# Allegro board 20250806_UNOQ.brd (continued)
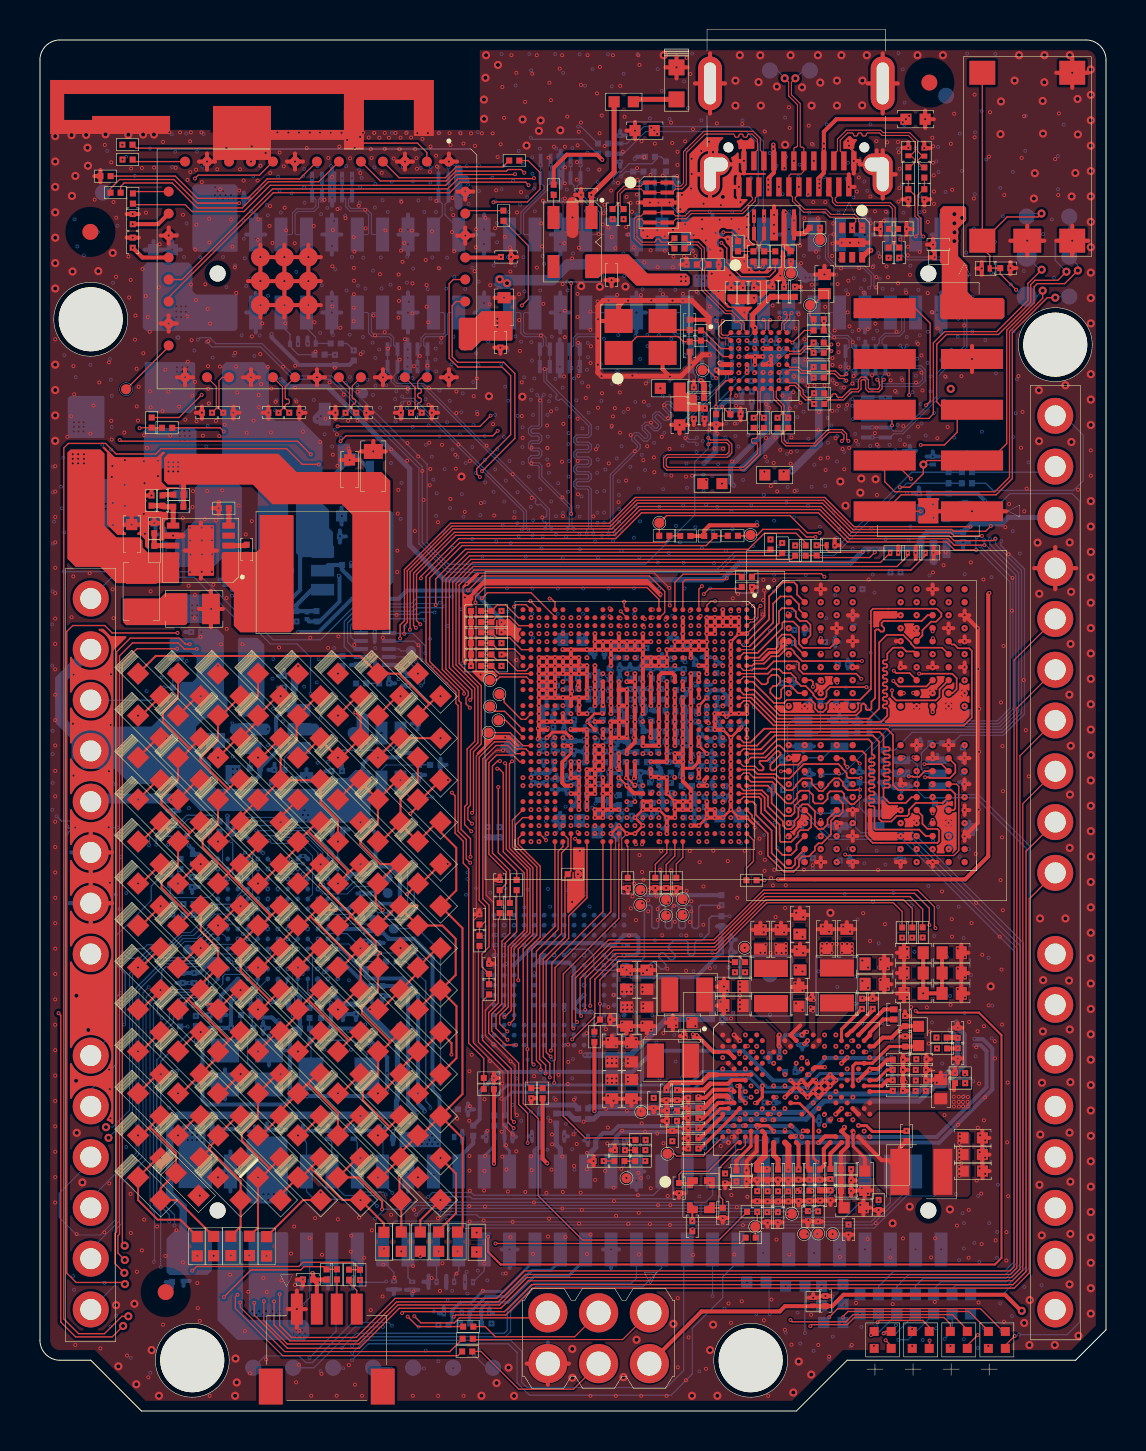
[diagram p0: board, top side]
## Routing (per net, layer and track width the routed paths; a pad name or vN(x,y) marks a point on that pad's centre or on a via; arc(x,y) is an arc through that point) (continued)
  BOTTOM w0.058: JMEDIA1.34 24.26,58.85 24.2,58.9 24.2,59.9 25.37,61.07 25.37,61.27 25.55,61.45 U2608.9 v5(25.55,62.35) U2608.2
CSI1_C2_LN3_M: length 56.8
  S3 w0.053: v2(28.57,38.88) 28.43,39.02 28.42,39.02 28.07,39.02 25.81,41.29 23.12,41.29 20.99,43.41 20.04,43.41 16.84,46.61 16.84,51.44 14.79,53.49 14.79,58.81 13.38,60.22 13.04,60.22 v3(12.86,60.03)
  S6 w0.053: v3(12.86,60.03) 13.03,60.21 13.38,60.21 14.97,58.62 14.97,58.02 15.31,57.68 25.26,57.68 25.74,58.16 25.74,59.66 27.64,61.56 27.64,62.68 27.4,62.92 26.86,62.92 26.74,62.8 26.74,62.53 v5(26.55,62.34)
  BOTTOM w0.058: 27.3,58.85 27.81,58.85 27.87,58.9 27.87,59.89 26.73,61.03 26.73,61.29 26.55,61.47 U2608.7 v5(26.55,62.34) U2608.4
CSI1_NC_CLK_P: length 56.6
  TOP w0.058: v2(29.23,40.48) 29.23,40.22 SOC1.T1
  S3 w0.053: v3(20.44,61.72) 20.27,61.55 20.27,61.18 20.15,61.06 16.64,61.06 16.59,61 16.59,60.9 16.64,60.84 20.15,60.84 20.27,60.72 20.27,60.52 20.15,60.4 16.64,60.4 16.59,60.34 16.59,60.24 16.64,60.18 20.15,60.18 20.27,60.06 20.27,59.86 20.15,59.74 16.64,59.74 16.59,59.68 16.59,59.58 16.64,59.52 20.15,59.52 20.27,59.4 20.27,58.82 19.81,58.36 19.64,58.36 19.43,58.57 19.36,58.57 19.28,58.5 19.28,58.42 19.49,58.21 19.49,58.04 19.35,57.9 19.17,57.9 18.96,58.1 18.89,58.1 18.81,58.03 18.81,57.95 19.02,57.74 19.02,57.57 18.38,56.93 18.38,54.14 19.97,52.55 19.97,46.22 21.18,45.01 21.37,45.01 24.17,42.2 26.18,42.2 27.57,40.82 28.65,40.82 28.76,40.71 28.86,40.71 28.96,40.61 28.96,40.5 29.1,40.36 29.16,40.36 29.23,40.43 v2(29.23,40.48)
  S6 w0.053: v5(20.44,62.21) 20.25,62.02 20.25,61.91 v3(20.44,61.72)
  BOTTOM w0.058: v5(20.44,62.21) U2607.2 U2607.5 20.44,60.53 20.26,60.35 20.26,59.84 20.95,59.15 JMEDIA1.40
DC_IN: length 4.3
  V5 w0.203: 2.54,21.81 JANALOG1.8 ; JANALOG1.8 1.49,22.86 ; JANALOG1.8 3.59,22.86 ; JANALOG1.8 2.54,23.91
  S6 w0.5: 7.12,54.93 v5(7.06,54.99)
  vias: v3(1.67,45.51) v3(1.84,45.14) v3(2.07,45.52) v3(2.25,45.15) v3(6.52,55.24) v3(6.52,54.85) v3(6.85,54.39) v3(6.89,55.55) v3(7.29,55.54) v3(7.27,54.39) v4(2.55,45.38) v4(2.55,45.13) v4(2.79,45.38) v4(2.79,45.13) v4(3.04,45.38) v4(3.04,45.13) v4(3.28,45.38) v4(3.28,45.13) v4(6.82,55.26) v4(6.82,55) v4(6.82,54.72) v4(7.06,55.25) v4(7.06,54.71) v4(7.3,55.25) v4(7.3,54.99) v4(7.3,54.71) v5(2.55,45.38) v5(2.55,45.13) v5(2.79,45.38) v5(2.79,45.13) v5(3.04,45.38) v5(3.04,45.13) v5(3.28,45.38) v5(3.28,45.13) v5(6.82,55.26) v5(6.82,55) v5(6.82,54.72) v5(7.06,55.25) v5(7.06,54.71) v5(7.3,55.25) v5(7.3,54.99) v5(7.3,54.71)
DDR_RESET_N: length 17.1
  TOP w0.066: v2(40.28,27.84) 40.33,27.79 45.72,27.79 45.97,28.04 45.97,31.24 45.86,31.36 DRAM1.T11
  S3 w0.079: v2(34.17,30.08) 34.66,30.08 34.98,29.77 35.38,29.77 36.17,28.98 36.17,28.39 36.19,28.37 36.19,28.35 36.91,27.64 38.95,27.64 39.15,27.84 v2(40.28,27.84)
DRAM_ZQ0: length 0.6
  S3 w0.2: v3(40.65,41.43) v5(40.65,41.11)
  S6 w0.2: v5(40.65,41.11) v3(40.65,41.43)
DRAM_ZQ1: length 0.8
  S3 w0.2: v2(43.06,41.11) v3(43.06,41.39)
  S6 w0.2: v5(43.06,41.95) v3(43.06,41.39)
DSI0_REXT_PLL: length 2.1
  TOP w0.05: SOC1.L30 31.37,28.48 31.37,28.33
  TOP w0.066: 31.37,28.33 31.37,27.92 30.79,27.34 R1522.1
DSI1_CLK_M_TP: length 5.5
  S3 w0.05: v2(30.97,29.68) 31.11,29.54
  S3 w0.053: 31.11,29.54 31.23,29.54 31.29,29.47 31.33,29.47 31.6,29.2 31.6,28.96 31.59,28.96 31.59,28.81 31.6,28.8 31.6,28.35 31.6,28.35 31.6,26.55 30.66,25.61 30.27,25.61 30.14,25.48 v2(30.14,25.41)
DSI1_CLK_P_TP: length 5.5
  S3 w0.05: 31.11,29.42 31.11,29.42 v2(30.97,29.28)
  S3 w0.053: v2(30.14,25.95) 30.14,25.85 30.27,25.73 30.61,25.73 30.76,25.88 30.76,25.95 30.73,25.98 30.73,26.06 30.8,26.13 30.88,26.13 30.91,26.1 30.98,26.1 31.06,26.18 31.06,26.25 31.03,26.28 31.03,26.36 31.1,26.43 31.18,26.43 31.21,26.4 31.29,26.4 31.48,26.6 31.48,28.3 31.48,28.3 31.48,28.75 31.47,28.76 31.47,29 31.48,29.01 31.48,29.16 31.28,29.36 31.24,29.36 31.18,29.42 31.11,29.42
EAR_M: length 3.6
  S3 w0.15: v2(44.88,18.14) 42.88,18.14 42.42,17.68 v2(41.52,17.68)
EAR_M_R: length 26.8
  TOP w0.2: v2(45.92,18.14) 45.91,18.14 R2671.2
  S3 w0.2: v2(45.92,18.14) 46,18.22 v3(46.36,18.22)
  S6 w0.2: v5(46.76,18.29) 46.69,18.22 v3(46.36,18.22)
  BOTTOM w0.203: D26064.2 28.18,13.9 28.6,13.9 28.95,14.25 29.54,14.25 29.99,14.25 37.65,14.25 38.19,13.71 44.87,13.71 47.36,16.2 47.36,18.01 47.06,18.31 46.78,18.31 v5(46.76,18.29)
  BOTTOM w0.254: 27.3,11.98 27.3,12.67 27.81,13.18 D26064.2
EAR_P: length 3.8
  S3 w0.15: v2(44.86,18.68) 44.84,18.66 42.97,18.66 42.27,17.96 v2(41.35,17.96)
EAR_P_R: length 26.7
  TOP w0.254: R2670.2 45.91,18.68 v2(45.92,18.67)
  S3 w0.2: v2(45.92,18.67) 46.32,18.67 v3(46.36,18.7)
  S6 w0.2: v5(46.76,18.62) 46.76,18.63 46.69,18.7 v3(46.36,18.7)
  BOTTOM w0.203: D26063.2 28.83,13.72 29.07,13.96 37.53,13.96 38.07,13.42 44.99,13.42 47.65,16.08 47.65,18.13 47.18,18.6 46.78,18.6 v5(46.76,18.62)
  BOTTOM w0.254: D26063.2 28.83,13.47 28.57,13.22 28.57,11.98
EBI0_CA_0: length 6.1
  TOP w0.084: v2(38.67,36.23) 38.67,36.48 38.6,36.56 38.26,36.56 DRAM1.H2
  S3 w0.079: v2(38.67,36.23) 38.15,36.23 37.78,35.86 36.16,35.86 35.91,36.12 35.91,36.75 35.81,36.85 v2(34.17,36.85)
EBI0_CA_1: length 6.2
  TOP w0.066: SOC1.B10 35.22,36.73 35.74,36.73
  TOP w0.084: DRAM1.J2 37.93,35.91 37.58,36.26 37.26,36.26 37.09,36.08 37.09,35.7 37.02,35.64 36.83,35.64 36.54,35.93 36.54,36.12 36.7,36.27 36.86,36.27 37.04,36.45 37.04,36.67 36.89,36.82 36.61,36.82 36.42,36.62 36.42,36.45 36.32,36.35 36.12,36.35 35.74,36.73
EBI0_CA_2: length 9.5
  TOP w0.084: SOC1.A8 35.63,37.28 35.74,37.39 36.23,37.39 36.59,37.75 36.96,37.75 37.35,38.14 37.58,38.14 37.74,37.97 37.74,37.91 38.13,37.52 40.93,37.52 40.93,37.51 v2(41.13,37.51) ; v2(42.72,37.03) 42.72,37.03 42.84,36.91 43.51,36.91 43.86,36.56 DRAM1.H9
  S3 w0.079: v2(41.13,37.51) 42.23,37.51 42.53,37.22 v2(42.72,37.03)
EBI0_CA_3: length 10.8
  TOP w0.066: SOC1.B8 34.97,37.28 35.2,37.05 35.62,37.05 35.71,37.13
  TOP w0.084: 35.71,37.13 36.35,37.13 36.72,37.5 37.89,37.5 37.98,37.41 37.98,37.09 38.18,36.88 40.84,36.88 v2(41.1,36.63) ; DRAM1.H10 44.35,36.24 42.97,36.24 42.95,36.27 42.94,36.27 42.83,36.38 42.83,36.38 v2(42.7,36.52)
  S3 w0.079: v2(41.1,36.63) 41.21,36.52 v2(42.7,36.52)
EBI0_CA_4: length 12.8
  TOP w0.066: SOC1.B9 35.89,36.88
  TOP w0.084: v2(42.63,36.05) 42.63,35.76 42.84,35.55 44.82,35.55 45.01,35.74 45.01,36.1 45.46,36.56 DRAM1.H11 ; v2(41.35,36.21) 39.54,36.21 39.35,36.03 39.35,35.75 39.22,35.61 38.89,35.61 38.7,35.8 38.7,35.88 38.31,36.27 38.08,36.27 37.82,36.53 37.82,36.66 37.56,36.91 37.18,36.91 36.99,37.1 36.64,37.1 36.42,36.88 35.89,36.88
  S3 w0.079: v2(42.63,36.05) 42.37,36.05 42.2,36.21 v2(41.35,36.21)
EBI0_CA_5: length 13.9
  TOP w0.084: DRAM1.J11 45.46,35.9 45.65,35.9 45.87,36.12 45.87,36.66 45.64,36.88 44.15,36.88 44.15,36.88 v2(43.99,36.88)
  S3 w0.06: v2(33.77,37.68) 33.78,37.68 33.98,37.88 34.49,37.88
  S3 w0.079: 34.49,37.88 36.86,37.88 37.18,37.57 37.74,37.57 37.87,37.69 38.94,37.69 39.07,37.57 40.67,37.57 41.46,36.77 42.82,36.77 42.95,36.9 43.49,36.9 43.51,36.88 v2(43.99,36.88)
EBI0_CAL: length 1.2
  S3 w0.064: v2(33.37,34.88) v3(33.69,34.88)
  S6 w0.064: v3(33.69,34.88) 34.28,34.88 v5(34.39,34.77)
  BOTTOM w0.066: R1401.2 v5(34.39,34.77)
EBI0_CKE_0: length 6.9
  S3 w0.076: 34.5,37.48 33.97,37.48 v2(33.77,37.28)
  S3 w0.079: v2(39.86,35.97) 39.39,36.45 39.39,36.6 39.11,36.88 38.19,36.88 37.9,37.17 36.7,37.17 36.39,37.48 34.5,37.48
EBI0_CKE_1: length 8.3
  S3 w0.076: 34.3,37.06 33.95,37.06 v2(33.77,36.88)
  S3 w0.079: v2(40.66,35.91) 40.47,35.72 39.76,35.72 39.27,36.21 39.05,36.21 38.78,36.48 37.99,36.48 37.59,36.08 36.35,36.08 36.16,36.27 36.16,36.94 36.05,37.06 34.3,37.06
EBI0_CLK_M: length 11.3
  TOP w0.053: v2(43.69,35.92) 43.7,35.91 DRAM1.J9
  S3 w0.051: v2(33.77,36.48) 33.89,36.48 34.09,36.29 34.39,36.29 34.41,36.31
  S3 w0.053: v2(43.69,35.92) 43.59,35.92 43.53,35.86 43.53,35.67 43.34,35.48 40.74,35.48 40.24,34.98 40.23,34.98 40.21,34.96 36.52,34.96 35.18,36.31 34.41,36.31
EBI0_CLK_P: length 10.9
  S3 w0.051: v2(34.17,36.48) 34.23,36.42
  S3 w0.053: 34.23,36.42 35.23,36.42 36.57,35.08 40.17,35.08 40.69,35.6 43.3,35.6 43.41,35.72 43.41,36.09 43.36,36.14 43.26,36.14 43.22,36.11 43.22,35.91 v2(43.22,35.91)
EBI0_CS_0: length 6.4
  S3 w0.076: 34.64,37.68 v2(34.17,37.68)
  S3 w0.079: 34.64,37.68 36.6,37.68 36.88,37.4 37.99,37.4 38.13,37.54 38.7,37.54 39.59,36.66 39.59,36.54 39.69,36.43 v2(39.88,36.43)
EBI0_CS_1: length 6
  S3 w0.076: 37.47,36.28 36.74,36.28 ; v2(34.17,37.27) 34.58,37.27 34.58,37.27
  S3 w0.079: 37.47,36.28 37.87,36.68 38.94,36.68 v2(39.13,36.49) ; 34.58,37.27 36.29,37.27 36.45,37.1 36.45,36.4 36.58,36.28 36.74,36.28
EBI0_DMI_0: length 5.4
  S3 w0.076: 34.32,38.48 v2(34.17,38.48)
  S3 w0.079: 34.32,38.48 36.42,38.48 36.46,38.51 36.84,38.9 37.7,38.9 38.6,39.8 v2(39.06,39.8)
EBI0_DMI_1: length 15.1
  TOP w0.084: 44.66,39.81 44.41,39.81 44.12,39.52 42.43,39.52 42.43,39.52 42.21,39.52 42.11,39.42 42.11,39.3 42.24,39.17 42.24,39.04 42.18,38.99 42.07,38.99 41.96,39.09 41.84,39.09 41.78,39.03 41.78,35.66 41.6,35.48 41.6,35.13 41.54,35.07 41.38,35.07 41.32,35.13 41.32,35.3 41.23,35.39 41.17,35.39 41.09,35.3 41.09,35.05 40.84,34.8 37,34.8 35.72,36.08 SOC1.A11
EBI0_DQ0: length 5.5
  TOP w0.084: DRAM1.B2 37.88,40.84 37.88,41.3 37.73,41.45 37.18,41.45 36.48,40.76 36.48,39.8 36.48,39.79 36.48,39.59 SOC1.A5
EBI0_DQ1: length 5.5
  TOP w0.051: 35.49,38.24 35.21,38.24 34.97,38.48 SOC1.B5
  TOP w0.084: 38.26,39.81 37.98,40.1 37.98,40.35 37.58,40.75 37.04,40.75 36.69,40.39 36.69,39.44 35.49,38.24
EBI0_DQ2: length 6.2
  TOP w0.051: SOC1.B6 35.65,38.08 35.65,38.08
  TOP w0.084: DRAM1.E2 38.55,38.8 38.55,39.33 38.36,39.52 38.03,39.52 37.82,39.73 37.82,39.98 37.64,40.16 37.13,40.16 36.98,40 36.98,39.41 36.61,39.04 35.65,38.08
EBI0_DQ3: length 4.2
  TOP w0.084: SOC1.A7 35.97,37.68 36.42,38.13 36.8,38.13 36.91,38.23 36.91,38.62 37.13,38.84 37.55,38.84 37.77,38.62 37.77,38.29 38.2,37.86 DRAM1.F2
EBI0_DQ4: length 9.8
  S3 w0.076: v2(34.17,38.9) 34.37,39.1 34.39,39.1
  S3 w0.079: 34.39,39.1 35.88,39.1 37.71,40.94 39.11,40.94 39.14,40.97 39.4,40.97 39.58,40.79 39.85,40.79 40.11,40.54 40.11,38.76 39.86,38.51 v2(39.86,37.85)
EBI0_DQ5: length 7
  TOP w0.08: 35.49,37.93 35.21,37.93 34.97,37.68 SOC1.B7
  TOP w0.084: DRAM1.E4 39.53,38.18 38.18,38.18 37.98,38.38 37.98,39.2 37.69,39.49 37.21,39.49 37.15,39.42 37.15,39.17 36.9,38.92 35.97,37.99 35.91,37.93 35.49,37.93
EBI0_DQ6: length 6.8
  S3 w0.06: 34.67,38.68 33.97,38.68 v2(33.77,38.48)
  S3 w0.079: v2(39.86,39.8) 39.63,40.03 38.33,40.03 37.97,39.67 37.8,39.67 37.79,39.68 37.53,39.68 37.53,39.67 37.34,39.67 36.35,38.68 34.67,38.68
EBI0_DQ7: length 6.3
  S3 w0.079: v2(34.57,38.88) 35.98,38.88 37.76,40.66 38.31,40.66 38.72,40.25 39.66,40.25 v2(39.86,40.45)
EBI0_DQ8: length 17.7
  S3 w0.076: 34.06,34.99 v2(33.77,35.28)
  S3 w0.079: v2(45.46,40.45) 45.74,40.18 45.74,36.39 43.67,34.33 41.22,34.33 41.2,34.3 41.18,34.3 40.8,33.93 35.87,33.93 34.8,34.99 34.06,34.99
EBI0_DQ9: length 16.4
  S3 w0.076: v2(34.17,35.24) 34.62,35.24
  S3 w0.079: 34.62,35.24 34.87,35.24 36,34.11 40.76,34.11 41.16,34.51 43.56,34.51 45.51,36.47 45.51,38.09 45.1,38.5 45.1,39.44 v2(45.46,39.81)
EBI0_DQ10: length 17.1
  TOP w0.08: SOC1.B13 34.97,35.28 35.21,35.52 35.48,35.52 35.63,35.38
  TOP w0.084: 35.63,35.38 36.71,34.3 46.24,34.3 46.63,34.69 46.63,38.02 46.5,38.15 45.94,38.15 45.75,38.34 45.63,38.34 DRAM1.E11
EBI0_DQ11: length 15.2
  TOP w0.08: 35.63,35.84 35.21,35.84 SOC1.B11
  TOP w0.084: 35.63,35.84 35.68,35.84 36.88,34.63 41.49,34.63 41.99,35.14 41.99,38.45 42.37,38.82 43.19,38.82 43.58,38.43 43.58,38.39 43.78,38.18 45.14,38.18 DRAM1.F11
EBI0_DQ12: length 15.1
  TOP w0.08: SOC1.B12 35.59,35.68 35.63,35.63
  TOP w0.084: DRAM1.F9 43.73,37.99 43.35,37.99 43.16,38.18 42.69,38.18 42.4,37.89 42.4,37.61 42.34,37.55 42.23,37.55 42.17,37.5 42.17,37.42 42.23,37.37 42.34,37.37 42.4,37.31 42.4,37.24 42.34,37.18 42.23,37.18 42.17,37.13 42.17,37.05 42.23,37 42.34,37 42.4,36.95 42.4,36.87 42.34,36.82 42.23,36.82 42.17,36.76 42.17,36.69 42.23,36.63 42.34,36.63 42.4,36.58 42.4,36.5 42.34,36.45 42.23,36.45 42.17,36.4 42.17,36.32 42.23,36.27 42.34,36.27 42.4,36.21 42.4,36.14 42.34,36.08 42.23,36.08 42.17,36.03 42.17,35.95 42.23,35.9 42.34,35.9 42.4,35.84 42.4,35.77 42.34,35.71 42.23,35.71 42.17,35.66 42.17,35.58 42.23,35.53 42.34,35.53 42.4,35.48 42.4,35.4 42.34,35.35 42.23,35.35 42.17,35.29 42.17,35.22 42.23,35.16 42.34,35.16 42.4,35.11 42.4,34.78 42.08,34.47 36.8,34.47 35.63,35.63
EBI0_DQ13: length 17.4
  TOP w0.08: 36.72,35.42 35.66,36.48 SOC1.A10
  TOP w0.084: 36.72,35.42 37.22,35.42 37.38,35.58 38.58,35.58 38.78,35.38 38.78,35.14 38.94,34.97 39.18,34.97 39.35,35.14 39.35,35.38 39.55,35.58 41.03,35.58 41.58,36.12 41.58,40.03 41.68,40.13 42.44,40.13 44.87,40.13 45.1,39.9 45.1,39.75 44.84,39.48 44.58,39.48 44.15,39.05 44.15,38.8 DRAM1.E9
EBI0_DQ14: length 16.2
  S3 w0.06: 34.41,35.88 33.97,35.88 v2(33.77,36.08)
  S3 w0.079: v2(43.86,39.81) 44.15,39.53 44.15,39.03 44.15,39.03 44.15,38.02 44.93,37.23 44.93,36.57 43.38,35.02 40.98,35.02 40.61,34.65 36.26,34.65 35.03,35.88 34.41,35.88
EBI0_DQ15: length 16.8
  S3 w0.079: v2(34.17,36.08) 35.15,36.08 36.42,34.81 40.54,34.81 40.92,35.19 43.33,35.19 44.02,35.89 44.02,35.98 43.83,36.17 43.83,36.5 43.95,36.62 44.38,36.62 44.53,36.77 44.53,37 43.64,37.89 43.64,38.12 43.59,38.18 43.59,38.18 43.4,38.36 43.4,38.36 43.3,38.46 43.3,38.91 43.64,39.25 43.64,40.23 v2(43.86,40.45)
EBI0_DQS_0_M: length 5.2
  S3 w0.053: v2(34.17,38.08) 34.18,38.07 36.53,38.07 37.05,38.59 38.41,38.59 38.58,38.76 38.97,38.76 v2(39.06,38.67)
EBI0_DQS_0_P: length 5.8
  S3 w0.053: v2(39.06,39) 38.94,38.87 38.53,38.87 38.37,38.71 37,38.71 36.48,38.19 34.36,38.19 34.27,38.28 33.96,38.28 v2(33.77,38.08)
EBI0_DQS_1_M: length 15.9
  S3 w0.051: v2(44.68,38.65) 44.57,38.65 44.47,38.55 44.47,38.37 44.57,38.27 44.57,38.27 ; v2(33.77,35.68) 33.89,35.68 34.08,35.47 34.93,35.47 36.1,34.31 36.15,34.31
  S3 w0.053: 36.15,34.31 40.69,34.31 41.09,34.71 43.5,34.71 45.32,36.53 45.32,37.95 45,38.27 44.57,38.27
EBI0_DQS_1_P: length 15.6
  S3 w0.051: v2(34.17,35.67) 34.24,35.6 34.98,35.6 36.15,34.43 36.15,34.43 ; 44.57,38.15 44.52,38.15 44.35,38.32 44.35,38.6 44.56,38.81 44.56,38.88 v2(44.66,39)
  S3 w0.053: 44.57,38.15 44.95,38.15 45.19,37.9 45.19,36.58 43.45,34.83 41.04,34.83 40.63,34.43 36.15,34.43
EBI1_CA_0: length 6.1
  S3 w0.076: v2(33.77,32.08) 33.95,32.27 34.32,32.27 34.38,32.21 34.42,32.21
  S3 w0.079: v2(38.27,31.91) 38.18,32.01 37.48,32.01 37.2,31.73 36.48,31.73 36.1,32.11 36.1,32.21 36.23,32.33 36.23,32.4 36.2,32.43 35.85,32.43 35.8,32.38 35.8,32.28 35.72,32.21 35.63,32.21 35.57,32.27 35.57,32.35 35.51,32.41 35.42,32.41 35.36,32.35 35.36,32.27 35.3,32.21 35.22,32.21 35.16,32.27 35.16,32.35 35.1,32.41 35.01,32.41 34.95,32.35 34.95,32.27 34.89,32.21 34.42,32.21
EBI1_CA_1: length 6.2
  TOP w0.066: SOC1.B20 34.97,32.48 35.2,32.25 35.77,32.25 35.97,32.05
  TOP w0.084: 35.97,32.05 36.15,32.05 36.2,32.1 36.2,32.2 36,32.4 36,32.49 36.04,32.52 36.39,32.52 36.45,32.59 36.86,33 36.97,33 37.05,32.92 37.05,32.83 36.54,32.32 36.54,32.11 36.61,32.05 36.73,32.05 37.01,32.33 37.94,32.33 DRAM1.P2
EBI1_CA_2: length 11.7
  TOP w0.08: 35.63,31.48 35.57,31.48 SOC1.A22
  TOP w0.084: v2(41.03,30.74) 41.03,30.66 40.73,30.36 40.55,30.36 40.24,30.67 40.24,30.87 40.11,31 39.53,31 39.41,30.87 39.41,30.62 39.18,30.39 38.78,30.39 38.68,30.49 38.68,30.81 38.46,31.03 38.04,31.03 37.88,30.87 37.88,30.68 37.6,30.39 37.37,30.39 36.8,30.96 36.8,31.31 36.64,31.48 35.63,31.48
  S3 w0.079: v2(41.03,30.74) 41.35,30.74 41.67,31.06 43.23,31.06 43.37,31.2 43.37,31.28 43.86,31.77 v2(43.86,32)
EBI1_CA_3: length 11.9
  TOP w0.066: 35.7,31.69 35.47,31.92 35.2,31.92 34.97,31.68 SOC1.B22
  TOP w0.084: v2(43.47,31.75) 43.66,31.75 43.69,31.72 43.98,31.72 44.27,32.01 DRAM1.R10 ; v2(41.03,31.08) 40.84,31.08 40.81,31.05 40.42,31.05 40.17,31.3 40.17,31.45 39.98,31.65 39.74,31.65 39.44,31.34 39.44,31.29 39.16,31.01 38.98,31.01 38.61,31.38 38.61,31.6 38.57,31.65 38.14,31.65 37.82,31.32 37.82,31.25 37.62,31.05 37.34,31.05 36.7,31.69 35.7,31.69
  S3 w0.079: v2(41.03,31.08) 41.46,31.5 43.23,31.5 v2(43.47,31.75)
EBI1_CA_4: length 11.8
  TOP w0.084: v2(41.06,31.66) 40.56,31.66 40.46,31.66 40.36,31.76 40.36,31.92 40.14,32.14 40.14,32.17 39.95,32.36 38.21,32.36 37.75,31.9 37.75,31.89 37.51,31.65 37.01,31.65 36.8,31.85 35.91,31.85 35.68,32.08 SOC1.B21 ; v2(44.25,32.35) 45.12,32.35 DRAM1.R11
  S3 w0.079: v2(44.25,32.35) 43.71,32.35 43.51,32.16 41.56,32.16 v2(41.06,31.66)
EBI1_CA_5: length 14
  TOP w0.084: v2(44.29,31.7) 44.48,31.7 44.51,31.66 45.53,31.66 45.8,31.93 45.8,32.32 DRAM1.P11
  S3 w0.076: 34.64,31.23 v2(34.17,31.23)
  S3 w0.079: 34.64,31.23 35.51,31.23 36.57,30.18 38.63,30.18 38.81,30.35 43.43,30.35 43.46,30.38 43.46,30.41 44.15,31.1 44.15,31.56 v2(44.29,31.7)
EBI1_CKE_0: length 8.1
  TOP w0.084: v2(40.39,32.21) 40.26,32.35 40.26,32.54 40.14,32.66 DRAM1.P4
  S3 w0.076: v2(34.17,31.65) 34.39,31.65 34.42,31.62
  S3 w0.079: 34.42,31.62 35.38,31.62 35.39,31.61 35.74,31.61 36.23,31.12 37.43,31.12 37.78,30.77 38.44,30.77 38.8,31.14 38.8,31.38 38.93,31.51 39.15,31.51 39.27,31.63 39.36,31.63 39.94,32.21 v2(40.39,32.21)
EBI1_CKE_1: length 8.1
  TOP w0.084: DRAM1.P5 40.74,32.66 v2(41.01,32.39)
  S3 w0.076: 34.42,32.01 34.37,32.06 v2(34.17,32.06)
  S3 w0.079: v2(41.01,32.39) 40.75,32.39 40.66,32.47 39.9,32.47 39.45,32.02 38.78,32.02 38.39,31.63 38.23,31.63 38.1,31.76 37.5,31.76 37.25,31.51 36.42,31.51 35.92,32.01 35.55,32.01 35.55,32.01 34.42,32.01
EBI1_CLK_M: length 10.3
  S3 w0.051: v2(34.17,32.48) 34.28,32.48 34.42,32.62 34.51,32.62
  S3 w0.053: v2(43.71,32.7) 43.55,32.7 43.49,32.64 43.49,32.54 43.33,32.38 42.08,32.38 41.79,32.68 39.85,32.68 39.41,32.24 36.89,32.24 36.51,32.62 34.51,32.62
EBI1_CLK_P: length 10.5
  S3 w0.051: v2(33.77,32.48) 33.9,32.48 34.09,32.67 34.31,32.67 34.37,32.74 34.46,32.74 34.46,32.74 34.51,32.74
  S3 w0.053: 34.51,32.74 36.56,32.74 36.94,32.35 39.36,32.35 39.8,32.8 41.83,32.8 42.13,32.5 43.28,32.5 43.38,32.59 43.38,32.66 43.34,32.7 v2(43.2,32.7)
EBI1_CS_0: length 7.6
  TOP w0.084: v2(39.98,31.89) 39.86,32 DRAM1.R4
  S3 w0.076: v2(33.79,31.3) 33.93,31.44 34.4,31.44 34.42,31.42
  S3 w0.079: v2(39.98,31.89) 39.88,31.79 39.8,31.79 39.33,31.31 39.33,31.21 39.33,31.13 39.17,30.97 38.95,30.97 38.94,30.96 38.94,30.96 38.31,30.34 36.7,30.34 35.61,31.42 34.42,31.42
EBI1_CS_1: length 6.5
  TOP w0.084: DRAM1.R3 v2(39.06,31.76)
  S3 w0.076: v2(33.8,31.67) 33.77,31.67 33.77,31.68 33.94,31.86 34.29,31.86 34.33,31.82 34.42,31.82
  S3 w0.079: 34.42,31.82 35.46,31.82 35.47,31.81 35.84,31.81 36.34,31.32 37.5,31.32 37.82,30.99 38.34,30.99 38.52,31.18 38.52,31.26 38.52,31.49 38.8,31.76 v2(39.06,31.76)
EBI1_DMI_0: length 6.6
  S3 w0.076: v2(33.77,30.48) 33.92,30.64 34.31,30.64
  S3 w0.079: v2(39.06,28.75) 37.92,28.75 37.67,28.5 37.01,28.5 36.84,28.67 36.84,29.17 35.38,30.64 34.31,30.64
EBI1_DMI_1: length 17
  TOP w0.08: SOC1.A19 35.63,32.88
  TOP w0.084: DRAM1.Y10 44.32,28.76 43.99,29.08 41.82,29.08 41.76,29.14 41.76,30.2 41.7,30.25 41.54,30.25 41.48,30.31 41.48,30.38 41.54,30.44 41.7,30.44 41.76,30.49 41.76,30.57 41.7,30.62 41.54,30.62 41.48,30.68 41.48,30.75 41.54,30.81 41.7,30.81 41.76,30.86 41.76,30.94 41.7,30.99 41.54,30.99 41.48,31.04 41.48,31.12 41.54,31.17 41.7,31.17 41.76,31.23 41.76,31.3 41.7,31.36 41.54,31.36 41.48,31.41 41.48,31.49 41.54,31.54 41.7,31.54 41.76,31.59 41.76,31.67 41.7,31.73 41.54,31.73 41.48,31.78 41.48,31.86 41.54,31.91 41.7,31.91 41.76,31.96 41.76,32.04 41.7,32.09 41.54,32.09 41.48,32.15 41.48,32.22 41.54,32.28 41.7,32.28 41.76,32.33 41.76,32.41 41.7,32.46 41.54,32.46 41.48,32.51 41.48,32.59 41.54,32.64 41.7,32.64 41.76,32.7 41.76,32.77 41.7,32.83 41.67,32.83 41.62,32.88 41.62,33.44 41.46,33.6 36.89,33.6 36.17,32.88 35.63,32.88
EBI1_DQ0: length 5.8
  TOP w0.084: 38.26,28.11 37.79,27.63 37.79,27.34 37.62,27.17 37.34,27.17 36.61,27.9 36.61,29.04 35.81,29.84 35.81,30.33 35.66,30.48 SOC1.A25
EBI1_DQ1: length 6.1
  TOP w0.08: SOC1.B25 35.21,30.72 35.47,30.72 35.48,30.71 35.63,30.71
  TOP w0.084: 35.63,30.71 35.97,30.71 36.08,30.6 36.08,29.91 36.84,29.15 36.84,28.13 37.15,27.82 37.58,27.82 37.85,28.09 37.85,28.35 DRAM1.Y2
EBI1_DQ2: length 6.8
  TOP w0.08: SOC1.B24 34.97,30.88 34.97,30.88 35.32,30.88 35.32,30.88 35.63,30.88
  TOP w0.084: 35.63,30.88 36.05,30.88 36.26,30.68 36.26,30.07 37.01,29.32 37.01,28.81 37.02,28.79 37.02,28.52 37.07,28.47 37.58,28.47 37.92,28.8 37.92,28.93 38.04,29.06 38.43,29.06 38.58,29.22 38.58,29.74 DRAM1.V2
EBI1_DQ3: length 4.5
  TOP w0.08: 35.63,31.28 SOC1.A23
  TOP w0.084: 35.63,31.28 36.42,31.28 36.61,31.09 36.61,30.4 37.23,29.78 37.33,29.78 37.34,29.77 37.58,29.77 37.76,29.94 37.76,30.27 38.04,30.55 38.11,30.55 38.26,30.71
EBI1_DQ4: length 9.6
  TOP w0.084: 39.86,30.71 40.17,30.4 40.17,29.96 39.98,29.77 39.82,29.77 39.58,29.53 39.58,28.84 39.13,28.4 38.94,28.4 38.78,28.23 38.78,28.04 38.48,27.75 38.14,27.75 37.98,27.58 37.98,27.24 37.71,26.97 37.23,26.97 36.42,27.78 36.42,28.89 35.63,29.67 35.63,29.79 35.37,30.06 35.37,30.08 SOC1.A26
EBI1_DQ5: length 8.6
  TOP w0.08: SOC1.B23 34.97,31.28 35.21,31.04 35.55,31.04 35.56,31.05 35.63,31.05
  TOP w0.084: DRAM1.V4 39.41,29.6 39.41,29.34 39.18,29.12 38.94,29.12 38.78,29.29 38.78,29.99 38.42,30.35 38.14,30.35 37.95,30.15 37.95,29.72 37.75,29.53 37.75,29.29 37.58,29.12 37.34,29.12 37.18,29.29 37.18,29.49 36.43,30.24 36.43,30.75 36.12,31.05 35.63,31.05
EBI1_DQ6: length 7.1
  S3 w0.076: 34.32,30.43 v2(34.17,30.43)
  S3 w0.079: v2(39.86,28.75) 39.63,28.52 38.07,28.52 37.8,28.24 36.94,28.24 36.58,28.61 36.58,29.13 35.28,30.43 34.32,30.43
EBI1_DQ7: length 6.4
  S3 w0.079: v2(39.86,28.11) 39.6,28.37 38.33,28.37 37.95,27.99 36.88,27.99 36.39,28.48 36.39,29.04 35.35,30.08 v2(34.97,30.08)
EBI1_DQ8: length 17.9
  S3 w0.079: v2(34.16,33.69) 34.17,33.69 SOC1.D17 34.29,33.81 35.36,33.81 35.53,33.63 40.97,33.63 41.19,33.85 41.35,34.02 45.12,34.02 45.77,33.37 45.77,29.34 45.58,29.15 45.46,29.15 45.2,28.9 45.2,28.36 v2(45.46,28.1)
EBI1_DQ9: length 17.7
  S3 w0.079: v2(33.77,33.68) 34.07,33.99 35.46,33.99 35.67,33.78 40.88,33.78 41.12,34.02 41.12,34.02 41.28,34.18 45.18,34.18 45.93,33.42 45.93,29.22 v2(45.46,28.75)
EBI1_DQ10: length 15.1
  TOP w0.08: SOC1.B17 35.21,33.44 35.55,33.44 35.63,33.52
  TOP w0.084: 35.63,33.52 36.24,34.13 42.37,34.13 42.68,33.82 42.68,31.32 42.94,31.06 45.6,31.06 45.8,30.86 45.8,30.14 45.71,30.06 DRAM1.V11
EBI1_DQ11: length 15.6
  TOP w0.08: 35.63,33.09 35.5,33.09 35.47,33.12 35.21,33.12 34.97,32.88 SOC1.B19
  TOP w0.084: 35.63,33.09 36.06,33.09 36.09,33.12 36.1,33.12 36.76,33.79 41.67,33.79 41.98,33.48 41.98,29.62 42.11,29.49 42.6,29.49 42.88,29.77 43.39,29.77 43.48,29.85 43.48,30.08 43.82,30.42 45.18,30.42 45.46,30.71
EBI1_DQ12: length 15.5
  TOP w0.08: SOC1.B18 35.63,33.28
  TOP w0.084: 43.86,30.71 43.61,30.71 43.32,30.42 42.5,30.42 42.21,30.71 42.21,31.13 42.26,31.18 42.46,31.18 42.51,31.24 42.51,31.31 42.46,31.37 42.26,31.37 42.21,31.42 42.21,31.5 42.26,31.55 42.46,31.55 42.51,31.61 42.51,31.68 42.46,31.73 42.26,31.73 42.21,31.79 42.21,31.86 42.26,31.92 42.46,31.92 42.51,31.97 42.51,32.05 42.46,32.1 42.26,32.1 42.21,32.16 42.21,32.23 42.26,32.29 42.46,32.29 42.51,32.34 42.51,32.42 42.46,32.47 42.26,32.47 42.21,32.52 42.21,32.6 42.26,32.65 42.46,32.65 42.51,32.71 42.51,32.78 42.46,32.84 42.26,32.84 42.21,32.89 42.21,32.97 42.26,33.02 42.46,33.02 42.51,33.08 42.51,33.15 42.46,33.21 42.26,33.21 42.21,33.26 42.21,33.77 42.01,33.96 36.55,33.96 35.87,33.28 35.63,33.28
EBI1_DQ13: length 16.7
  TOP w0.08: 35.63,32.69 35.57,32.69 SOC1.A20
  TOP w0.084: DRAM1.V9 44.15,29.77 44.15,29.37 44.41,29.12 44.9,29.12 44.98,29.03 44.98,28.5 44.9,28.42 42.08,28.42 42.08,28.42 41.66,28.42 41.31,28.77 41.31,32.84 41.16,33 37.31,33 37.02,33.29 36.89,33.29 36.3,32.69 35.63,32.69
EBI1_DQ14: length 15.4
  S3 w0.076: v2(34.17,32.87) 34.41,32.87 34.42,32.88
  S3 w0.079: v2(43.86,28.75) 43.61,29 43.61,30.35 44.37,31.11 44.37,31.42 44.54,31.59 44.54,31.81 44.51,31.84 44.51,32.46 43.63,33.34 42.8,33.34 42.41,32.96 39.69,32.96 39.29,32.55 37.04,32.55 36.65,32.94 34.48,32.94 34.42,32.88
EBI1_DQ15: length 16.8
  S3 w0.076: v2(33.77,32.88) 33.96,33.07 34.33,33.07 34.37,33.11
  S3 w0.079: v2(43.86,28.1) 44.22,28.46 44.22,29.89 44.91,30.58 44.91,31.37 44.7,31.57 44.7,31.87 44.67,31.91 44.67,32.53 43.72,33.49 42.73,33.49 42.36,33.12 39.63,33.12 39.22,32.71 37.12,32.71 36.72,33.11 34.37,33.11
EBI1_DQS_0_M: length 6.6
  S3 w0.051: 34.45,31.02 34.43,31.04 33.96,31.04 v2(33.77,30.88)
  S3 w0.053: 34.45,31.02 35.42,31.02 37.26,29.17 38.4,29.17 38.59,29.36 38.59,29.66 38.71,29.78 38.94,29.78 v2(39.06,29.9)
EBI1_DQS_0_P: length 6.2
  S3 w0.051: 34.45,30.9 34.38,30.9 34.35,30.93 34.25,30.93 v2(34.17,30.84)
  S3 w0.053: v2(39.06,29.57) 38.97,29.66 38.76,29.66 38.71,29.61 38.71,29.31 38.45,29.06 37.21,29.06 35.37,30.9 34.45,30.9
EBI1_DQS_1_M: length 15.5
  S3 w0.051: 45.18,30.13 45.18,30.13 44.84,29.79 44.77,29.79 v2(44.66,29.9) ; 34.44,33.39 34.27,33.39 v2(34.17,33.28)
  S3 w0.053: 34.44,33.39 34.55,33.39 34.58,33.36 34.58,33.28 34.61,33.25 34.65,33.25 34.68,33.28 34.68,33.36 34.71,33.39 34.75,33.39 34.78,33.36 34.78,33.28 34.81,33.25 34.86,33.25 34.89,33.28 34.89,33.36 34.91,33.38 35.22,33.38 35.32,33.27 36.94,33.27 37.33,32.88 39.08,32.88 39.52,33.32 42.14,33.32 42.52,33.7 43.8,33.7 45.18,32.32 45.18,30.13
EBI1_DQS_1_P: length 15.9
  S3 w0.051: v2(44.66,29.57) 44.77,29.67 44.89,29.67 45.3,30.08 45.3,30.13 ; v2(33.77,33.28) 33.99,33.5 34.4,33.5 34.4,33.5 34.43,33.5 34.44,33.5
  S3 w0.053: 45.3,30.13 45.3,32.37 43.85,33.82 42.47,33.82 42.08,33.44 39.46,33.44 39.03,33 37.39,33 36.99,33.4 35.37,33.4 35.27,33.5 34.44,33.5
EMMC1_VDDI: length 5.3
  S6 w0.3: v5(23,28.7) 23.72,27.97 v5(23.72,24.3)
  BOTTOM w0.3: C2101.1 v5(23,28.7)
FAULT_N_TP: length 5.7
  S3 w0.064: v2(36.99,14.85) 36.99,14.31 37.08,14.22 37.08,12.98 36.81,12.71 36.81,11.21 36.68,11.08 36.68,10.85 36.76,10.76 37.04,10.76 37.17,10.63 37.17,10.08 v2(37.4,9.85)
FM_ANT: length 11.5
  TOP w0.066: U2901.7 12.99,61.63 11.37,61.63 10.4,60.66 7.88,60.66 6.77,61.77 R2909.2
FORCED_USB_BOOT_N: length 99
  TOP w0.066: v2(44.31,42.93) 44.31,42.8 43.58,42.07 21.72,42.07 20.97,41.32 20.97,37.39 22.08,36.28 22.08,33.37 21.69,32.98 21.69,29.99 v2(21.62,29.92) ; R901.2 34.54,22.45 34.49,22.5 28.96,22.5 28.02,21.56 v2(28.02,20.37) 28.03,20.36 R1312.1 27.74,19.29 R1311.2 ; v2(44.07,45) JCTL1.2 43.09,45.83 47.84,45.83 48.65,46.64 48.65,53.94 50.4,55.69 v6(50.8,55.69)
  S3 w0.064: v2(26.17,29.68) 26,29.51 22.09,29.51 21.68,29.92 v2(21.62,29.92) 21.41,29.92 20.81,29.32 v3(19.45,29.32) ; v2(44.31,42.93) 44.07,43.17 v2(44.07,45) ; v2(28.02,20.37) 27.86,20.52 27.22,20.52 27.1,20.4 23,20.4 20.99,18.39 20.99,17.71 20.18,16.9 v3(19.15,16.9)
  S6 w0.064: v3(19.15,16.9) 19.6,17.35 19.6,26.7 19.08,27.22 19.08,28.95 v3(19.45,29.32)
  BOTTOM w0.066: v6(50.8,55.69) 50.86,55.75 TP2611.1
